# Altium PCB GE21_M1_pku_f100.PcbDoc (part 8 of 19)
Units mm, origin at the board's own origin, x right, y up, seen from the top; angles counter-clockwise.
Board outline 423.9 x 668.59 mm, 8 copper layers (Top Layer, Signal 1, DGNG1, POWER, AGND, DGND2, Signal 2, Bottom Layer), stack 1.03 mm thick; 171 components, 336 nets, 2040 pads, 4872 vias.
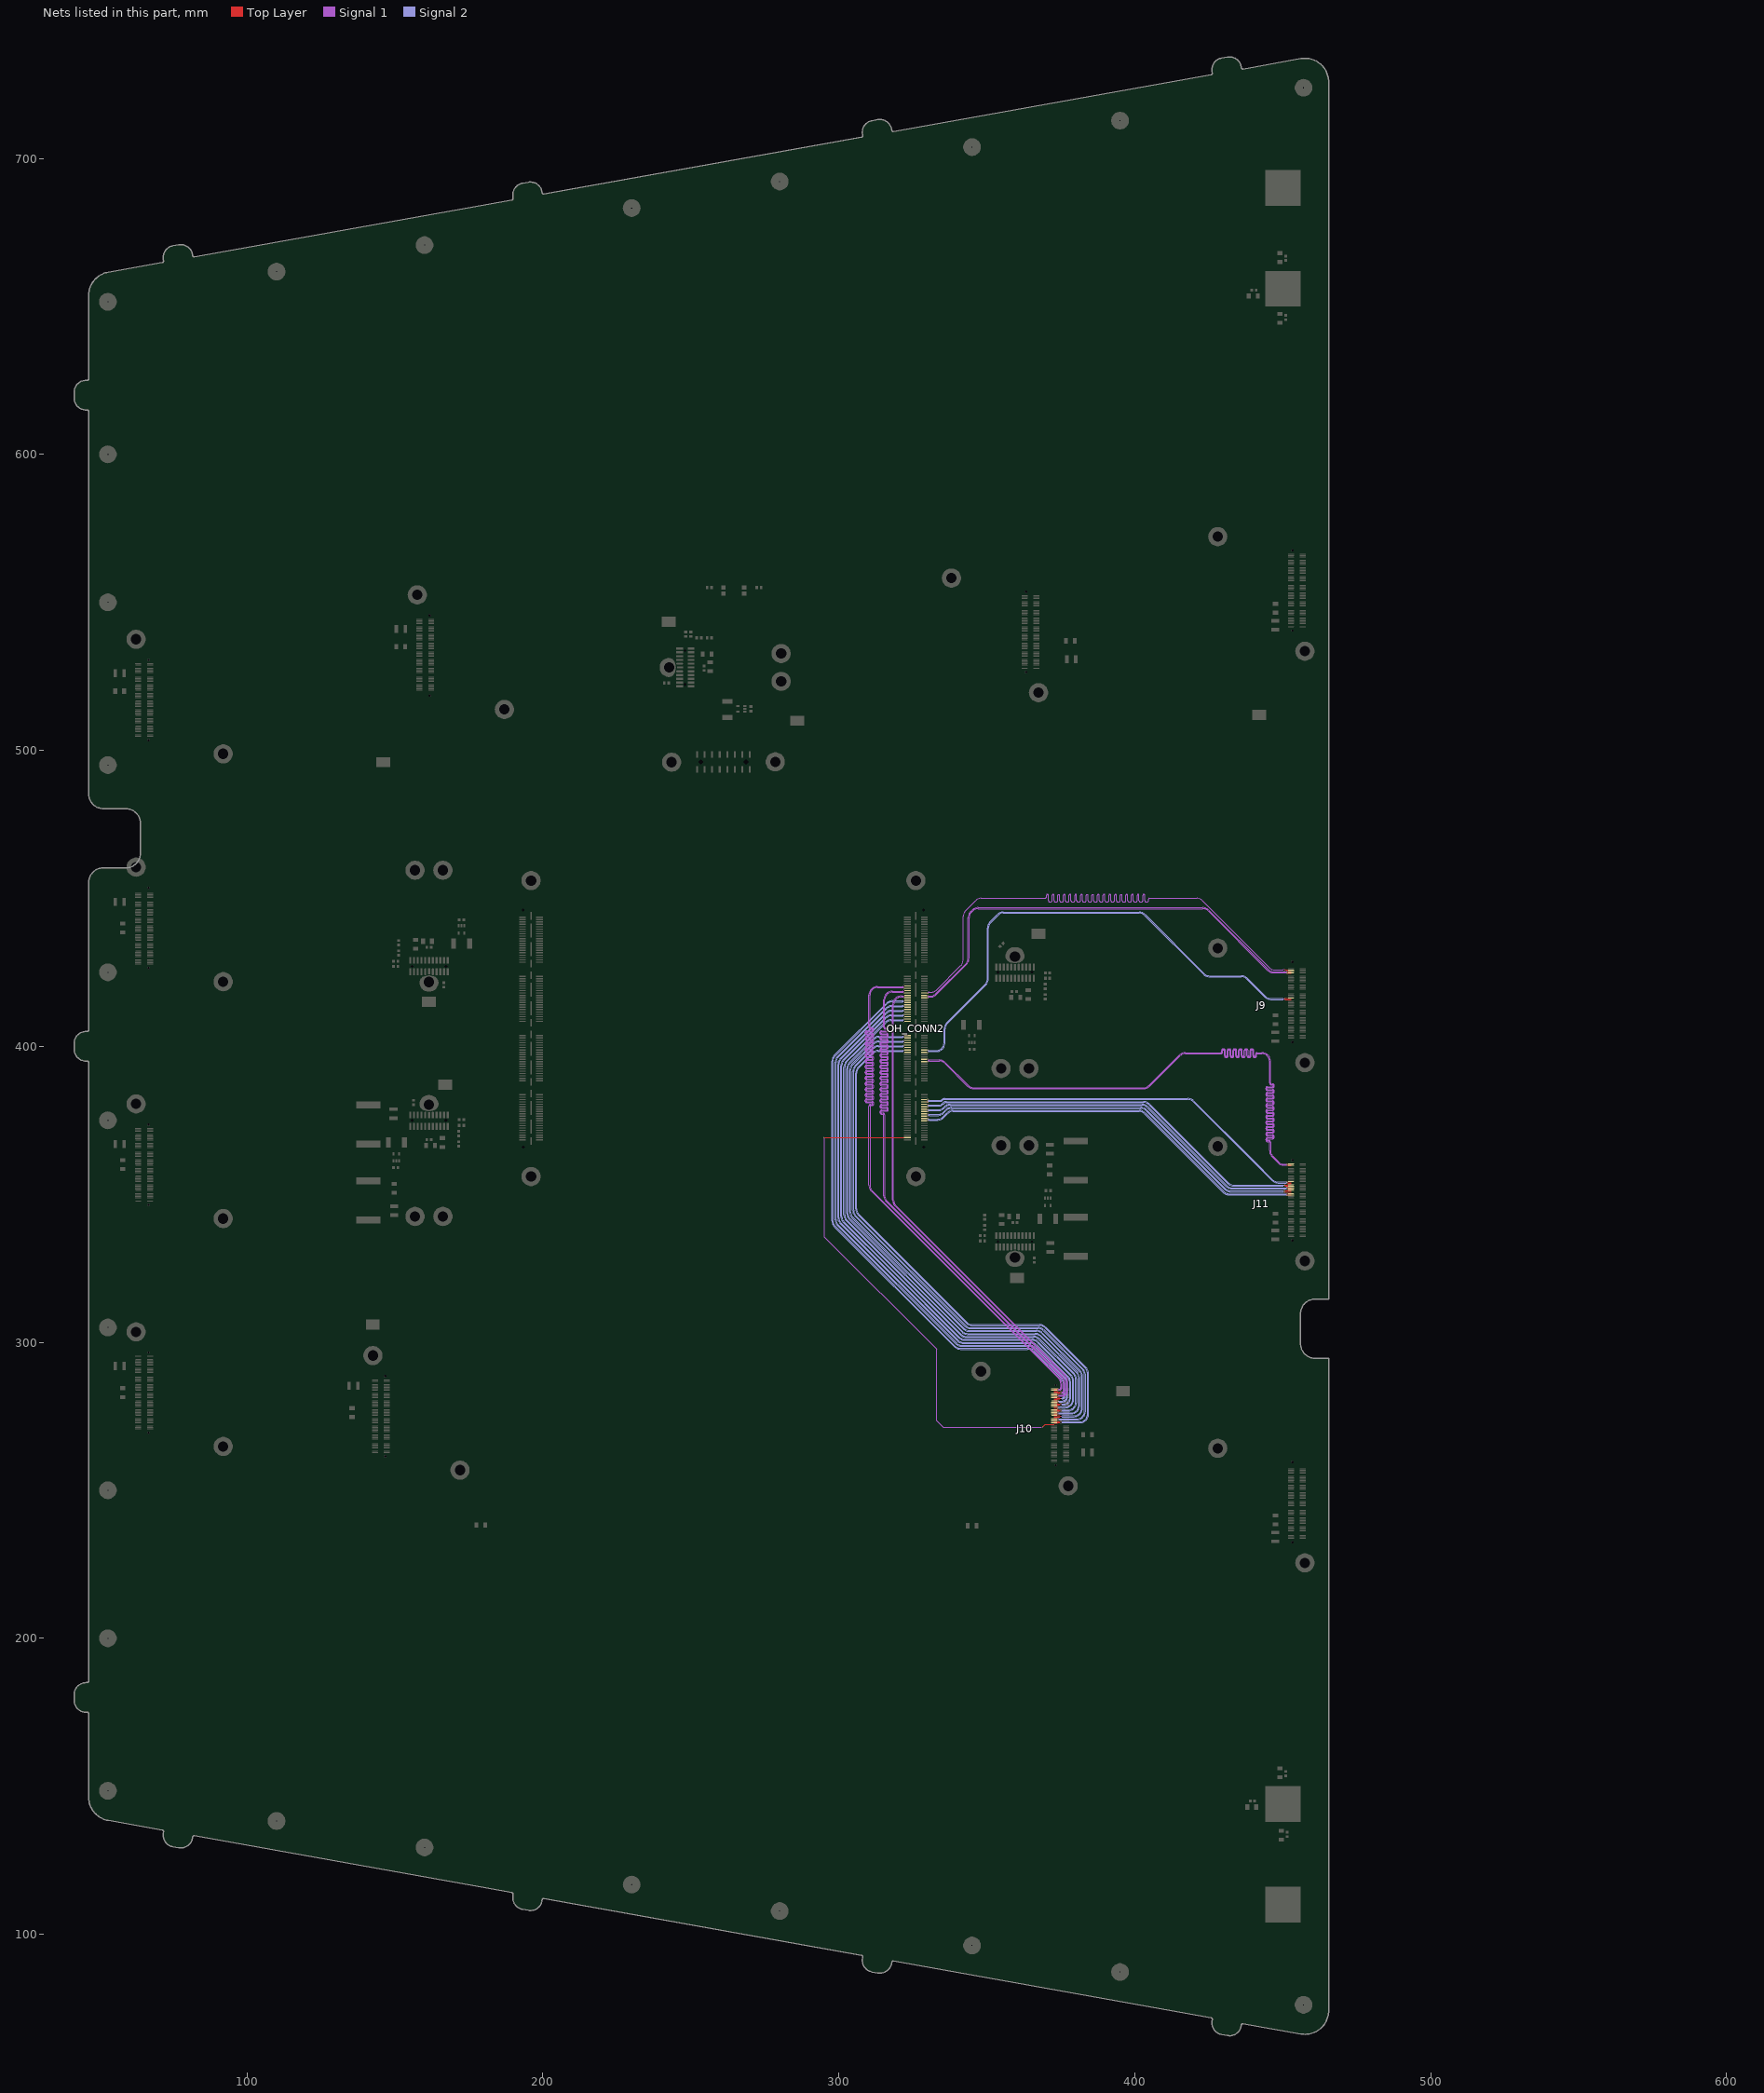
[diagram p14: the nets of this part, all layers, seen from the top]

## Via types
v1: diameter 0.508, hole 0.203, Top Layer to Bottom Layer, tented both sides, 1688 vias
v2: diameter 0.402/0.402/0.402/0.201 (per signal layer), hole 0.201, Top Layer to Bottom Layer, tented both sides, 1040 vias
v3: diameter 0.507, hole 0.202, Top Layer to Bottom Layer, tented both sides, 780 vias
v4: diameter 0.4, hole 0, Top Layer to Bottom Layer, tented both sides, 438 vias
v5: diameter 0.4, hole 0.2, Top Layer to Bottom Layer, tented both sides, 288 vias
v6: diameter 0.51, hole 0.204, Top Layer to Bottom Layer, tented both sides, 288 vias
v7: diameter 0.6/0.4/0.4/0.4 (per signal layer), hole 0.3, Top Layer to Bottom Layer, tented both sides, 254 vias
v8: diameter 0.402, hole 0.201, Top Layer to Bottom Layer, tented both sides, 96 vias

## Nets (pads, with @x,y where several pads share a name; then routed paths per layer and width w, separated by ;. In a path a pad name is that pad's centre, name@x,y a point inside that pad or via, vN(x,y) a via of type N, cw(c..) or ccw(c..) an arc to the next point about the centre after c; other vN are vias at no path point) (continued)
J9RXD_P: J9.94 OH_CONN2.106 | length 234.6
  Top Layer w0.115: v4@450.5,425.7 cw(c450.802,425.398) 450.802,425.825 451.625,425.825 451.7,425.75 J9.94@452.75,425.75
  Signal 1 w0.115: v6(330,418) cw(c330.543,417.457) 330.543,418.225 331.023,418.225 ccw(c331.023,421.115) 333.066,419.071 341.154,427.159 ccw(c339.11,429.202) 342,429.202 342,443.948 cw(c344.54,443.948) 342.744,445.744 346.256,449.256 cw(c348.052,447.46) 348.052,450 369.596,450 ccw(c369.596,450.558) 370.154,450.558 370.154,451.062 cw(c370.362,451.062) 370.362,451.27 370.554,451.27 cw(c370.554,451.062) 370.762,451.062 370.762,449.288 ccw(c371.32,449.288) 371.32,448.73 371.512,448.73 ccw(c371.512,449.288) 372.07,449.288 372.07,451.062 cw(c372.278,451.062) 372.278,451.27 372.47,451.27 cw(c372.47,451.062) 372.678,451.062 372.678,449.288 ccw(c373.236,449.288) 373.236,448.73 373.428,448.73 ccw(c373.428,449.288) 373.986,449.288 373.986,451.062 cw(c374.194,451.062) 374.194,451.27 374.386,451.27 cw(c374.386,451.062) 374.594,451.062 374.594,449.288 ccw(c375.152,449.288) 375.152,448.73 375.344,448.73 ccw(c375.344,449.288) 375.902,449.288 375.902,451.062 cw(c376.11,451.062) 376.11,451.27 376.302,451.27 cw(c376.302,451.062) 376.51,451.062 376.51,449.288 ccw(c377.068,449.288) 377.068,448.73 377.26,448.73 ccw(c377.26,449.288) 377.818,449.288 377.818,451.062 cw(c378.026,451.062) 378.026,451.27 378.218,451.27 cw(c378.218,451.062) 378.426,451.062 378.426,449.288 ccw(c378.984,449.288) 378.984,448.73 379.176,448.73 ccw(c379.176,449.288) 379.734,449.288 379.734,451.062 cw(c379.942,451.062) 379.942,451.27 380.134,451.27 cw(c380.134,451.062) 380.342,451.062 380.342,449.288 ccw(c380.9,449.288) 380.9,448.73 381.092,448.73 ccw(c381.092,449.288) 381.65,449.288 381.65,451.062 cw(c381.858,451.062) 381.858,451.27 382.05,451.27 cw(c382.05,451.062) 382.258,451.062 382.258,449.288 ccw(c382.816,449.288) 382.816,448.73 383.008,448.73 ccw(c383.008,449.288) 383.566,449.288 383.566,451.062 cw(c383.774,451.062) 383.774,451.27 383.966,451.27 cw(c383.966,451.062) 384.174,451.062 384.174,449.288 ccw(c384.732,449.288) 384.732,448.73 384.924,448.73 ccw(c384.924,449.288) 385.482,449.288 385.482,451.062 cw(c385.69,451.062) 385.69,451.27 385.882,451.27 cw(c385.882,451.062) 386.09,451.062 386.09,449.288 ccw(c386.648,449.288) 386.648,448.73 386.84,448.73 ccw(c386.84,449.288) 387.398,449.288 387.398,451.062 cw(c387.606,451.062) 387.606,451.27 387.798,451.27 cw(c387.798,451.062) 388.006,451.062 388.006,449.288 ccw(c388.564,449.288) 388.564,448.73 388.756,448.73 ccw(c388.756,449.288) 389.314,449.288 389.314,451.062 cw(c389.522,451.062) 389.522,451.27 389.714,451.27 cw(c389.714,451.062) 389.922,451.062 389.922,449.288 ccw(c390.48,449.288) 390.48,448.73 390.672,448.73 ccw(c390.672,449.288) 391.23,449.288 391.23,451.062 cw(c391.438,451.062) 391.438,451.27 391.63,451.27 cw(c391.63,451.062) 391.838,451.062 391.838,449.288 ccw(c392.396,449.288) 392.396,448.73 392.588,448.73 ccw(c392.588,449.288) 393.146,449.288 393.146,451.062 cw(c393.354,451.062) 393.354,451.27 393.546,451.27 cw(c393.546,451.062) 393.754,451.062 393.754,449.288 ccw(c394.312,449.288) 394.312,448.73 394.504,448.73 ccw(c394.504,449.288) 395.062,449.288 395.062,451.062 cw(c395.27,451.062) 395.27,451.27 395.462,451.27 cw(c395.462,451.062) 395.67,451.062 395.67,449.288 ccw(c396.228,449.288) 396.228,448.73 396.42,448.73 ccw(c396.42,449.288) 396.978,449.288 396.978,451.062 cw(c397.186,451.062) 397.186,451.27 397.378,451.27 cw(c397.378,451.062) 397.586,451.062 397.586,449.288 ccw(c398.144,449.288) 398.144,448.73 398.336,448.73 ccw(c398.336,449.288) 398.894,449.288 398.894,451.062 cw(c399.102,451.062) 399.102,451.27 399.294,451.27 cw(c399.294,451.062) 399.502,451.062 399.502,449.288 ccw(c400.06,449.288) 400.06,448.73 400.252,448.73 ccw(c400.252,449.288) 400.81,449.288 400.81,451.062 cw(c401.018,451.062) 401.018,451.27 401.21,451.27 cw(c401.21,451.062) 401.418,451.062 401.418,449.288 ccw(c401.976,449.288) 401.976,448.73 402.168,448.73 ccw(c402.168,449.288) 402.726,449.288 402.726,451.062 cw(c402.934,451.062) 402.934,451.27 403.126,451.27 cw(c403.126,451.062) 403.334,451.062 403.334,449.288 ccw(c403.892,449.288) 403.892,448.73 404.084,448.73 ccw(c404.084,449.288) 404.642,449.288 404.642,449.792 cw(c404.85,449.792) 404.85,450 420.953,450 cw(c420.953,447.46) 422.749,449.256 445.334,426.671 ccw(c447.377,428.715) 447.377,425.825 450.198,425.825 cw(c450.198,425.398) v5(450.5,425.7)
  other v4: 450.43,425.7 450.57,425.7
J9Strobe_N: J9.56 OH_CONN2.68 | length 168.7
  Top Layer w0.115: v5(450.5,416.3) ccw(c450.802,416.602) 450.802,416.175 451.625,416.175 451.7,416.25 J9.56@452.75,416.25
  Signal 2 w0.115: v6(330,398.8) ccw(c330.543,399.343) 330.543,398.575 332.96,398.575 ccw(c332.96,401.115) 335.5,401.115 335.5,405.798 cw(c338.39,405.798) 336.346,407.841 349.406,420.901 ccw(c347.61,422.697) 350.15,422.697 350.15,439.948 cw(c353.04,439.948) 350.996,441.991 353.509,444.504 cw(c355.552,442.46) 355.552,445.35 401.453,445.35 cw(c401.453,442.46) 403.496,444.504 423.406,424.594 ccw(c425.202,426.39) 425.202,423.85 435.953,423.85 cw(c435.953,420.96) 437.996,423.004 ; 437.996,423.004 444.081,416.919 ccw(c445.877,418.715) 445.877,416.175 450.198,416.175 ccw(c450.198,416.602) v5(450.5,416.3)
  other v4: 450.43,416.3 450.57,416.3
J9Strobe_P: J9.54 OH_CONN2.66 | length 168.7
  Top Layer w0.115: v4@450.5,415.7 cw(c450.802,415.398) 450.802,415.825 451.625,415.825 451.7,415.75 J9.54@452.75,415.75
  Signal 2 w0.115: v6(330,398) cw(c330.543,397.457) 330.543,398.225 332.96,398.225 ccw(c332.96,401.115) 335.85,401.115 335.85,405.798 cw(c338.39,405.798) 336.594,407.594 349.654,420.654 ; 349.654,420.654 ccw(c347.61,422.697) 350.5,422.697 350.5,439.948 cw(c353.04,439.948) 351.244,441.744 353.756,444.256 cw(c355.552,442.46) 355.552,445 401.453,445 cw(c401.453,442.46) 403.249,444.256 423.159,424.346 ccw(c425.202,426.39) 425.202,423.5 435.953,423.5 cw(c435.953,420.96) 437.749,422.756 443.834,416.671 ccw(c445.877,418.715) 445.877,415.825 450.198,415.825 cw(c450.198,415.398) v5(450.5,415.7)
  other v4: 450.43,415.7 450.57,415.7
J9TXD_N: J9.92 OH_CONN2.104 | length 152.9
  Top Layer w0.25: v5(451.5,425.3) 451.55,425.25 J9.92@452.75,425.25
  Signal 1 w0.115: v6(330,417.2) ccw(c330.543,417.743) 330.543,416.975 330.923,416.975 ccw(c330.923,419.515) 332.719,417.719 342.906,427.906 ccw(c341.11,429.702) 343.65,429.702 343.65,443.448 cw(c346.54,443.448) 344.496,445.491 345.009,446.004 cw(c347.052,443.96) 347.052,446.85 422.953,446.85 cw(c422.953,443.96) 424.996,446.004 445.081,425.919 ccw(c446.877,427.715) 446.877,425.175 451.198,425.175 ccw(c451.198,425.602) v5(451.5,425.3)
  other v4: 451.43,425.3
J9TXD_P: J9.90 OH_CONN2.102 | length 152.9
  Top Layer w0.25: v5(451.5,424.7) 451.55,424.75 J9.90@452.75,424.75
  Signal 1 w0.115: v6(330,416.4) cw(c330.543,415.857) 330.543,416.625 330.923,416.625 ccw(c330.923,419.515) 332.966,417.471 343.154,427.659 ccw(c341.11,429.702) 344,429.702 344,443.448 cw(c346.54,443.448) 344.744,445.244 345.256,445.756 cw(c347.052,443.96) 347.052,446.5 422.953,446.5 cw(c422.953,443.96) 424.749,445.756 444.834,425.671 ccw(c446.877,427.715) 446.877,424.825 451.198,424.825 cw(c451.198,424.398) v5(451.5,424.7)
  other v4: 451.43,424.7
J10CLK_N: J10.100 OH_CONN2.111 | length 234.6
  Top Layer w0.25: J10.100@372.75,284.25 373.95,284.25 v5(374,284.3)
  Signal 1 w0.115: v6(322,420.4) cw(c321.457,420.943) 321.457,420.175 313.04,420.175 ccw(c313.04,417.285) 310.15,417.285 310.15,406.404 ccw(c310.708,406.404) 310.708,405.846 311.209,405.846 cw(c311.209,405.638) 311.417,405.638 311.417,405.446 cw(c311.209,405.446) 311.209,405.238 309.441,405.238 ccw(c309.441,404.68) 308.883,404.68 308.883,404.488 ccw(c309.441,404.488) 309.441,403.93 311.209,403.93 cw(c311.209,403.722) 311.417,403.722 311.417,403.53 cw(c311.209,403.53) 311.209,403.322 309.441,403.322 ccw(c309.441,402.764) 308.883,402.764 308.883,402.572 ccw(c309.441,402.572) 309.441,402.014 311.209,402.014 cw(c311.209,401.806) 311.417,401.806 311.417,401.614 cw(c311.209,401.614) 311.209,401.406 309.441,401.406 ccw(c309.441,400.848) 308.883,400.848 308.883,400.656 ccw(c309.441,400.656) 309.441,400.098 311.209,400.098 cw(c311.209,399.89) 311.417,399.89 311.417,399.698 cw(c311.209,399.698) 311.209,399.49 309.441,399.49 ccw(c309.441,398.932) 308.883,398.932 308.883,398.74 ccw(c309.441,398.74) 309.441,398.182 311.209,398.182 cw(c311.209,397.974) 311.417,397.974 311.417,397.782 cw(c311.209,397.782) 311.209,397.574 309.441,397.574 ccw(c309.441,397.016) 308.883,397.016 308.883,396.824 ccw(c309.441,396.824) 309.441,396.266 311.209,396.266 cw(c311.209,396.058) 311.417,396.058 311.417,395.866 cw(c311.209,395.866) 311.209,395.658 309.441,395.658 ccw(c309.441,395.1) 308.883,395.1 308.883,394.908 ccw(c309.441,394.908) 309.441,394.35 311.209,394.35 cw(c311.209,394.142) 311.417,394.142 311.417,393.95 cw(c311.209,393.95) 311.209,393.742 309.441,393.742 ccw(c309.441,393.184) 308.883,393.184 308.883,392.992 ccw(c309.441,392.992) 309.441,392.434 311.209,392.434 cw(c311.209,392.226) 311.417,392.226 311.417,392.034 cw(c311.209,392.034) 311.209,391.826 309.441,391.826 ccw(c309.441,391.268) 308.883,391.268 308.883,391.076 ccw(c309.441,391.076) 309.441,390.518 311.209,390.518 cw(c311.209,390.31) 311.417,390.31 311.417,390.118 cw(c311.209,390.118) 311.209,389.91 309.441,389.91 ccw(c309.441,389.352) 308.883,389.352 308.883,389.16 ccw(c309.441,389.16) 309.441,388.602 311.209,388.602 cw(c311.209,388.394) 311.417,388.394 311.417,388.202 cw(c311.209,388.202) 311.209,387.994 309.441,387.994 ccw(c309.441,387.436) 308.883,387.436 308.883,387.244 ccw(c309.441,387.244) 309.441,386.686 311.209,386.686 cw(c311.209,386.478) 311.417,386.478 311.417,386.286 cw(c311.209,386.286) 311.209,386.078 309.441,386.078 ccw(c309.441,385.52) 308.883,385.52 308.883,385.328 ccw(c309.441,385.328) 309.441,384.77 311.209,384.77 cw(c311.209,384.562) 311.417,384.562 311.417,384.37 cw(c311.209,384.37) 311.209,384.162 309.441,384.162 ccw(c309.441,383.604) 308.883,383.604 308.883,383.412 ccw(c309.441,383.412) 309.441,382.854 311.209,382.854 cw(c311.209,382.646) 311.417,382.646 311.417,382.454 cw(c311.209,382.454) 311.209,382.246 309.441,382.246 ccw(c309.441,381.688) 308.883,381.688 308.883,381.496 ccw(c309.441,381.496) 309.441,380.938 311.209,380.938 cw(c311.209,380.73) 311.417,380.73 311.417,380.538 cw(c311.209,380.538) 311.209,380.33 310.708,380.33 ccw(c310.708,379.772) 310.15,379.772 310.15,353.047 ccw(c313.04,353.047) 310.996,351.004 374.256,287.744 cw(c372.46,285.948) 375,285.948 375,284.675 cw(c374.5,284.675) 374.5,284.175 374.302,284.175 cw(c374.302,284.602) v5(374,284.3)
  other v4: 374.07,284.3
J10CLK_P: J10.98 OH_CONN2.109 | length 234.6
  Top Layer w0.25: J10.98@372.75,283.75 373.95,283.75 v5(374,283.7)
  Signal 1 w0.115: v6(322,419.6) ccw(c321.457,419.057) 321.457,419.825 313.04,419.825 ccw(c313.04,417.285) 310.5,417.285 310.5,406.404 ccw(c310.708,406.404) 310.708,406.196 311.209,406.196 cw(c311.209,405.638) 311.767,405.638 311.767,405.446 cw(c311.209,405.446) 311.209,404.888 309.441,404.888 ccw(c309.441,404.68) 309.233,404.68 309.233,404.488 ccw(c309.441,404.488) 309.441,404.28 311.209,404.28 cw(c311.209,403.722) 311.767,403.722 311.767,403.53 cw(c311.209,403.53) 311.209,402.972 309.441,402.972 ccw(c309.441,402.764) 309.233,402.764 309.233,402.572 ccw(c309.441,402.572) 309.441,402.364 311.209,402.364 cw(c311.209,401.806) 311.767,401.806 311.767,401.614 cw(c311.209,401.614) 311.209,401.056 309.441,401.056 ccw(c309.441,400.848) 309.233,400.848 309.233,400.656 ccw(c309.441,400.656) 309.441,400.448 311.209,400.448 cw(c311.209,399.89) 311.767,399.89 311.767,399.698 cw(c311.209,399.698) 311.209,399.14 309.441,399.14 ccw(c309.441,398.932) 309.233,398.932 309.233,398.74 ccw(c309.441,398.74) 309.441,398.532 311.209,398.532 cw(c311.209,397.974) 311.767,397.974 311.767,397.782 cw(c311.209,397.782) 311.209,397.224 309.441,397.224 ccw(c309.441,397.016) 309.233,397.016 309.233,396.824 ccw(c309.441,396.824) 309.441,396.616 311.209,396.616 cw(c311.209,396.058) 311.767,396.058 311.767,395.866 cw(c311.209,395.866) 311.209,395.308 309.441,395.308 ccw(c309.441,395.1) 309.233,395.1 309.233,394.908 ccw(c309.441,394.908) 309.441,394.7 311.209,394.7 cw(c311.209,394.142) 311.767,394.142 311.767,393.95 cw(c311.209,393.95) 311.209,393.392 309.441,393.392 ccw(c309.441,393.184) 309.233,393.184 309.233,392.992 ccw(c309.441,392.992) 309.441,392.784 311.209,392.784 cw(c311.209,392.226) 311.767,392.226 311.767,392.034 cw(c311.209,392.034) 311.209,391.476 309.441,391.476 ccw(c309.441,391.268) 309.233,391.268 309.233,391.076 ccw(c309.441,391.076) 309.441,390.868 311.209,390.868 cw(c311.209,390.31) 311.767,390.31 311.767,390.118 cw(c311.209,390.118) 311.209,389.56 309.441,389.56 ccw(c309.441,389.352) 309.233,389.352 309.233,389.16 ccw(c309.441,389.16) 309.441,388.952 311.209,388.952 cw(c311.209,388.394) 311.767,388.394 311.767,388.202 cw(c311.209,388.202) 311.209,387.644 309.441,387.644 ccw(c309.441,387.436) 309.233,387.436 309.233,387.244 ccw(c309.441,387.244) 309.441,387.036 311.209,387.036 cw(c311.209,386.478) 311.767,386.478 311.767,386.286 cw(c311.209,386.286) 311.209,385.728 309.441,385.728 ccw(c309.441,385.52) 309.233,385.52 309.233,385.328 ccw(c309.441,385.328) 309.441,385.12 311.209,385.12 cw(c311.209,384.562) 311.767,384.562 311.767,384.37 cw(c311.209,384.37) 311.209,383.812 309.441,383.812 ccw(c309.441,383.604) 309.233,383.604 309.233,383.412 ccw(c309.441,383.412) 309.441,383.204 311.209,383.204 cw(c311.209,382.646) 311.767,382.646 311.767,382.454 cw(c311.209,382.454) 311.209,381.896 309.441,381.896 ccw(c309.441,381.688) 309.233,381.688 309.233,381.496 ccw(c309.441,381.496) 309.441,381.288 311.209,381.288 cw(c311.209,380.73) 311.767,380.73 311.767,380.538 cw(c311.209,380.538) 311.209,379.98 310.708,379.98 ccw(c310.708,379.772) 310.5,379.772 310.5,353.047 ccw(c313.04,353.047) 311.244,351.251 374.504,287.991 cw(c372.46,285.948) 375.35,285.948 375.35,284.675 cw(c374.5,284.675) 374.5,283.825 374.302,283.825 ccw(c374.302,283.398) v5(374,283.7)
  other v4: 374.07,283.7
J10D1_N: J10.60 OH_CONN2.71 | length 194.6
  Top Layer w0.25: J10.60@372.75,274.25 373.95,274.25 v5(374,274.3)
  Signal 2 w0.115: v6(322,400.4) cw(c321.457,400.943) 321.457,400.175 313.377,400.175 ccw(c313.377,397.285) 311.334,399.329 305.496,393.491 ccw(c307.54,391.448) 304.65,391.448 304.65,344.552 ccw(c307.54,344.552) 305.496,342.509 342.509,305.496 ccw(c344.552,307.54) 344.552,304.65 367.298,304.65 cw(c367.298,302.11) 369.094,303.906 382.256,290.744 cw(c380.46,288.948) 383,288.948 383,276.715 cw(c380.46,276.715) 380.46,274.175 374.302,274.175 cw(c374.302,274.602) v5(374,274.3)
  other v4: 374.07,274.3
J10D1_P: J10.58 OH_CONN2.69 | length 194.6
  Top Layer w0.25: J10.58@372.75,273.75 373.95,273.75 v5(374,273.7)
  Signal 2 w0.115: v6(322,399.6) ccw(c321.457,399.057) 321.457,399.825 313.377,399.825 ccw(c313.377,397.285) 311.581,399.081 305.744,393.244 ccw(c307.54,391.448) 305,391.448 305,344.552 ccw(c307.54,344.552) 305.744,342.756 342.756,305.744 ccw(c344.552,307.54) 344.552,305 367.298,305 cw(c367.298,302.11) 369.341,304.154 ; 369.341,304.154 382.504,290.991 cw(c380.46,288.948) 383.35,288.948 383.35,276.715 cw(c380.46,276.715) 380.46,273.825 374.302,273.825 ccw(c374.302,273.398) v5(374,273.7)
  other v4: 374.07,273.7
J10D2_N: J10.64 OH_CONN2.75 | length 194.6
  Top Layer w0.115: J10.64@372.75,275.25 373.8,275.25 373.875,275.175 374.698,275.175 ccw(c374.698,275.602) v5(375,275.3)
  Signal 2 w0.115: v6(322,402) cw(c321.457,402.543) 321.457,401.775 313.477,401.775 ccw(c313.477,398.885) 311.434,400.929 304.496,393.991 ccw(c306.54,391.948) 303.65,391.948 303.65,344.052 ccw(c306.54,344.052) 304.496,342.009 342.009,304.496 ccw(c344.052,306.54) 344.052,303.65 366.798,303.65 cw(c366.798,301.11) 368.594,302.906 381.256,290.244 cw(c379.46,288.448) 382,288.448 382,277.715 cw(c379.46,277.715) 379.46,275.175 375.302,275.175 cw(c375.302,275.602) v5(375,275.3)
  other v4: 374.93,275.3 375.07,275.3
J10D2_P: J10.62 OH_CONN2.73 | length 194.6
  Top Layer w0.115: J10.62@372.75,274.75 373.8,274.75 373.875,274.825 374.698,274.825 cw(c374.698,274.398) v5(375,274.7)
  Signal 2 w0.115: v6(322,401.2) ccw(c321.457,400.657) 321.457,401.425 313.477,401.425 ccw(c313.477,398.885) 311.681,400.681 304.744,393.744 ccw(c306.54,391.948) 304,391.948 304,344.052 ccw(c306.54,344.052) 304.744,342.256 342.256,304.744 ccw(c344.052,306.54) 344.052,304 366.798,304 cw(c366.798,301.11) 368.841,303.154 381.504,290.491 cw(c379.46,288.448) 382.35,288.448 382.35,277.715 cw(c379.46,277.715) 379.46,274.825 375.302,274.825 ccw(c375.302,274.398) v5(375,274.7)
  other v4: 374.93,274.7 375.07,274.7
J10D3_N: J10.68 OH_CONN2.79 | length 194.5
  Top Layer w0.25: J10.68@372.75,276.25 373.95,276.25 v5(374,276.3)
  Signal 2 w0.115: v6(322,403.6) cw(c321.457,404.143) 321.457,403.375 313.577,403.375 ccw(c313.577,400.485) 311.534,402.529 303.496,394.491 ccw(c305.54,392.448) 302.65,392.448 302.65,343.552 ccw(c305.54,343.552) 303.496,341.509 341.509,303.496 ccw(c343.552,305.54) 343.552,302.65 366.298,302.65 cw(c366.298,300.11) 368.094,301.906 380.256,289.744 cw(c378.46,287.948) 381,287.948 381,278.715 cw(c378.46,278.715) 378.46,276.175 374.302,276.175 cw(c374.302,276.602) v5(374,276.3)
  other v4: 374.07,276.3
J10D3_P: J10.66 OH_CONN2.77 | length 194.5
  Top Layer w0.25: J10.66@372.75,275.75 373.95,275.75 v5(374,275.7)
  Signal 2 w0.115: v6(322,402.8) ccw(c321.457,402.257) 321.457,403.025 313.577,403.025 ccw(c313.577,400.485) 311.781,402.281 303.744,394.244 ccw(c305.54,392.448) 303,392.448 303,343.552 ccw(c305.54,343.552) 303.744,341.756 341.756,303.744 ccw(c343.552,305.54) 343.552,303 366.298,303 cw(c366.298,300.11) 368.341,302.154 ; 368.341,302.154 380.504,289.991 ; v5(374,275.7) cw(c374.302,275.398) 374.302,275.825 378.46,275.825 ccw(c378.46,278.715) 381.35,278.715 381.35,287.948 ccw(c378.46,287.948) 380.504,289.991
  other v4: 374.07,275.7
J10D4_N: J10.72 OH_CONN2.83 | length 196.2
  Top Layer w0.115: J10.72@372.75,277.25 373.8,277.25 373.875,277.175 374.698,277.175 ccw(c374.698,277.602) v5(375,277.3)
  Signal 2 w0.115: v6(322,409.2) cw(c321.457,409.743) 321.457,408.975 317.677,408.975 ccw(c317.677,406.085) 315.634,408.129 306.105,398.6 302.496,394.992 ccw(c304.54,392.948) 301.65,392.948 301.65,343.052 ccw(c304.54,343.052) 302.496,341.009 341.009,302.496 ccw(c343.052,304.54) 343.052,301.65 365.798,301.65 cw(c365.798,299.11) 367.594,300.906 379.256,289.244 cw(c377.46,287.448) 380,287.448 380,279.715 cw(c377.46,279.715) 377.46,277.175 375.302,277.175 cw(c375.302,277.602) v5(375,277.3)
  other v4: 374.93,277.3 375.07,277.3
J10D4_P: J10.70 OH_CONN2.81 | length 196.2
  Top Layer w0.115: J10.70@372.75,276.75 373.8,276.75 373.875,276.825 374.698,276.825 cw(c374.698,276.398) v5(375,276.7)
  Signal 2 w0.115: v6(322,408.4) ccw(c321.457,407.857) 321.457,408.625 317.677,408.625 ccw(c317.677,406.085) 315.881,407.881 306.25,398.25 302.744,394.744 ccw(c304.54,392.948) 302,392.948 302,343.052 ccw(c304.54,343.052) 302.744,341.256 341.256,302.744 ccw(c343.052,304.54) 343.052,302 365.798,302 cw(c365.798,299.11) 367.841,301.154 ; 367.841,301.154 379.504,289.491 ; v5(375,276.7) cw(c375.302,276.398) 375.302,276.825 377.46,276.825 ccw(c377.46,279.715) 380.35,279.715 380.35,287.448 ccw(c377.46,287.448) 379.504,289.491